# Altium PCB wifi-module.PcbDoc (part 1 of 2)
Units mm, origin at the board's own origin, x right, y up, seen from the top; angles counter-clockwise.
Board outline 106 x 80 mm, 2 copper layers (Top Layer, Bottom Layer), stack 1.57 mm thick; 193 components, 99 nets, 493 pads, 460 vias.
Unrouted connection lines stored in the file: 1.
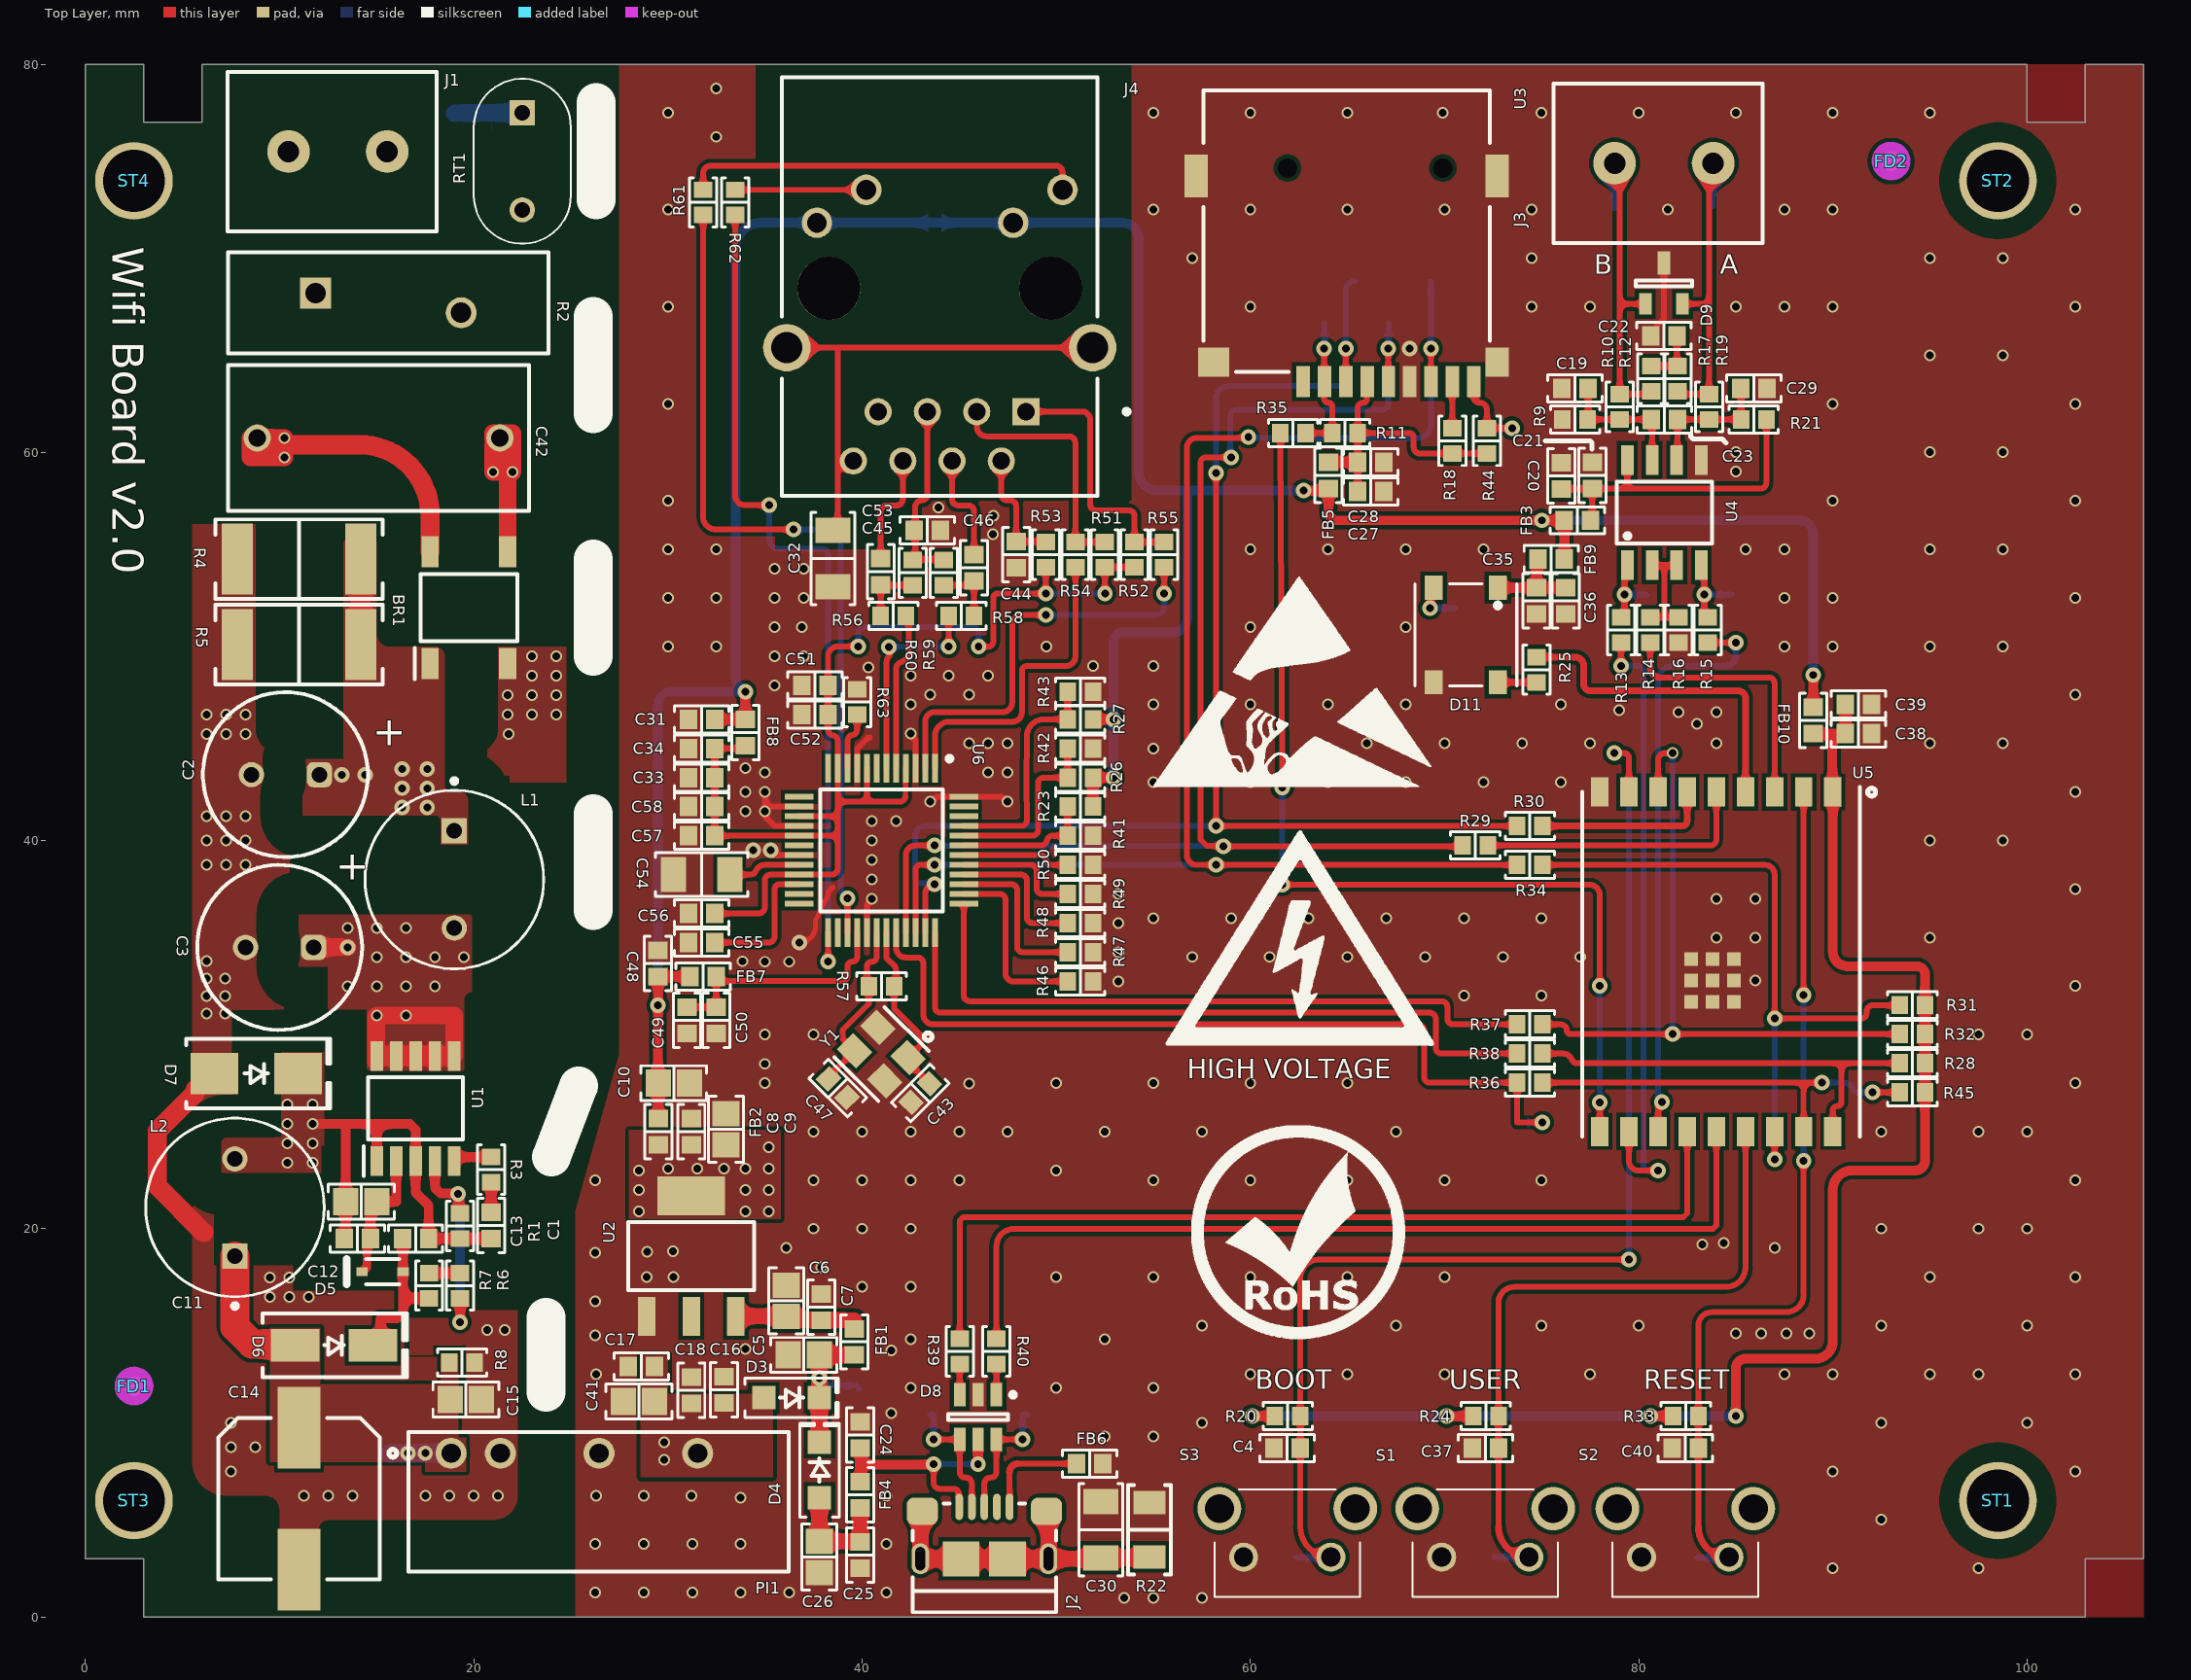
[diagram p0: Top Layer view]
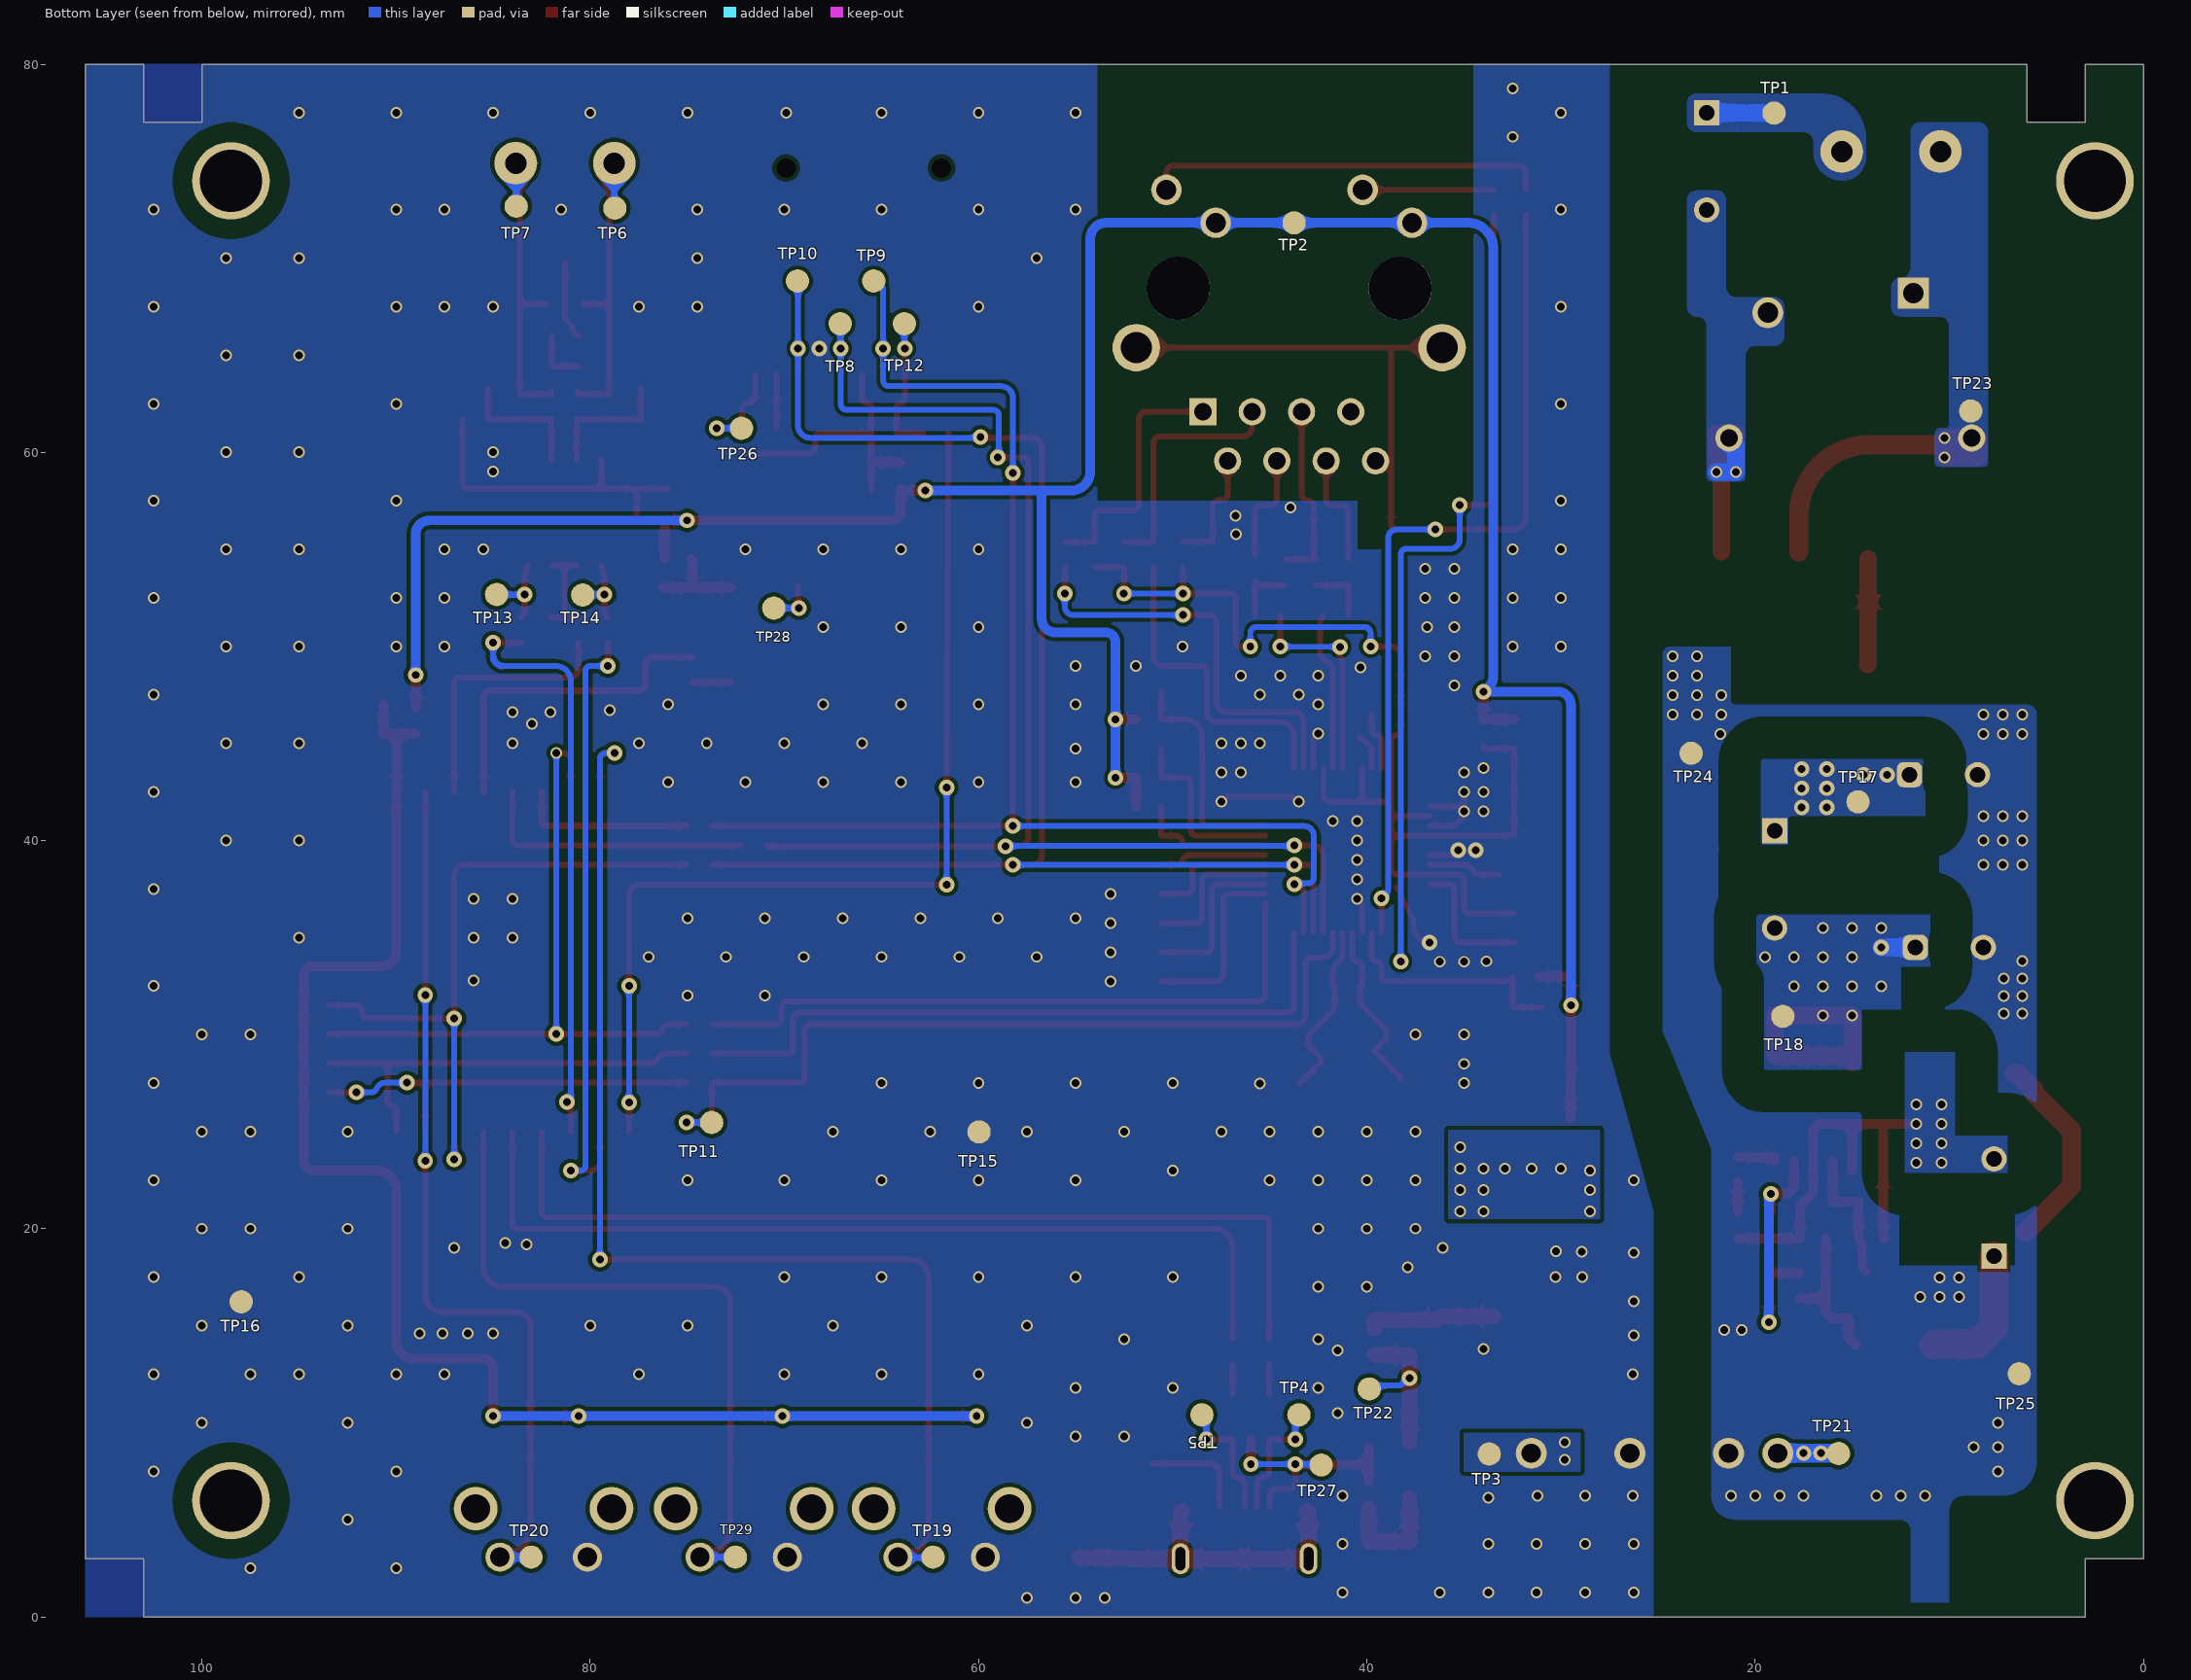
[diagram p1: Bottom Layer view, seen from below]
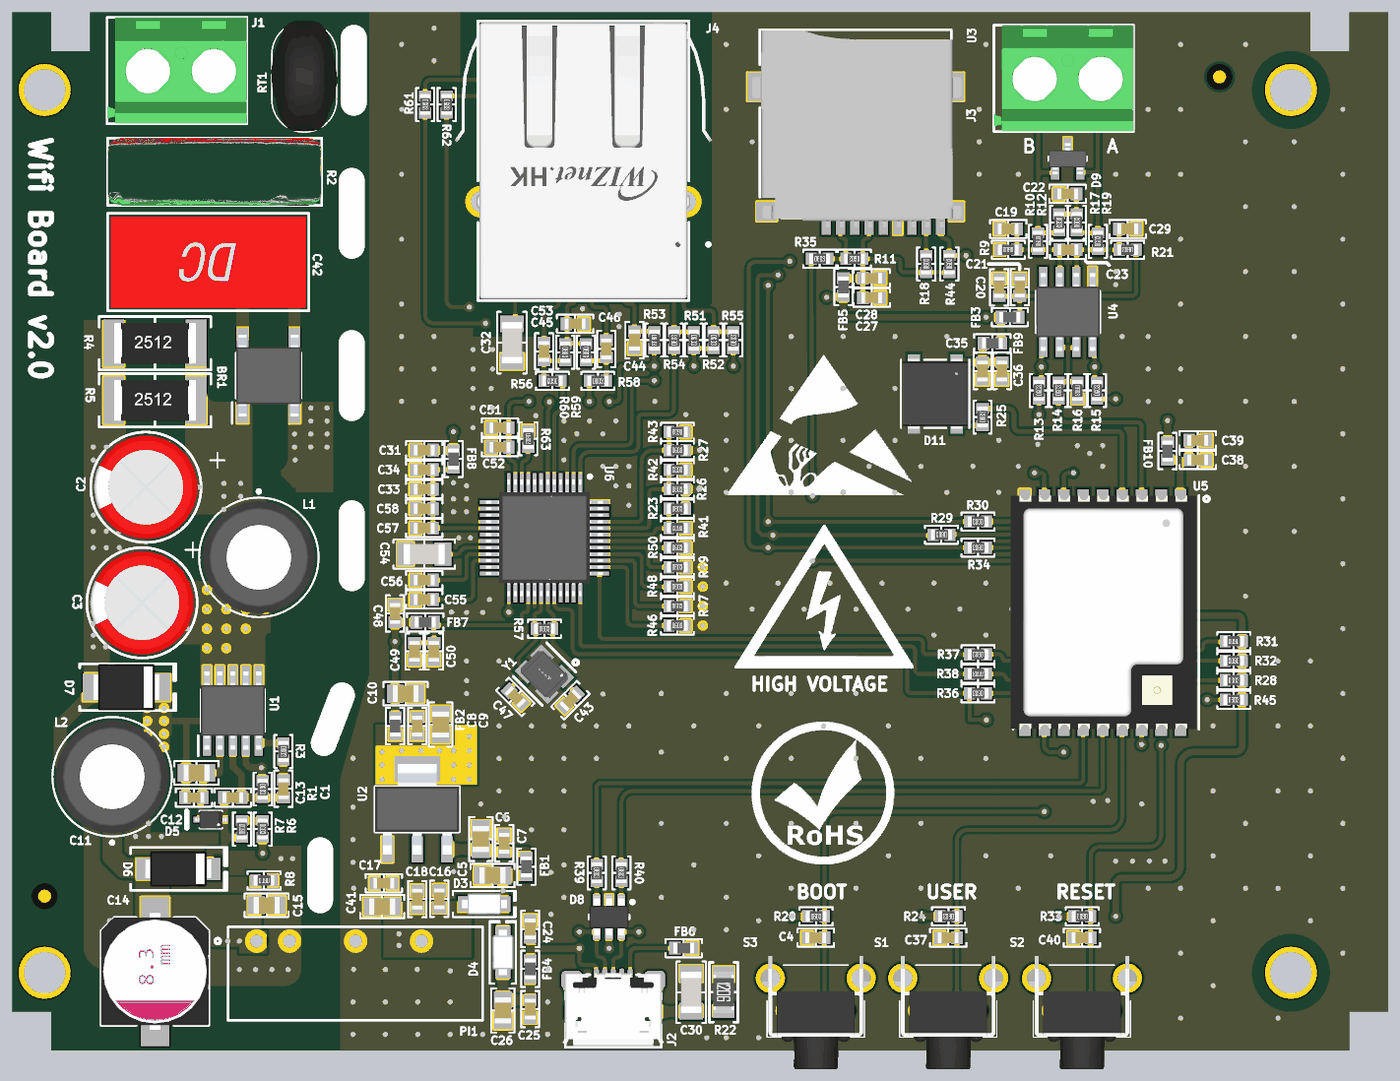
[diagram p3: 3D render of the assembled board from above, using the file's embedded part models]

## Layer stack, top to bottom
Top Solder: solder mask 0.0102, Solder Resist, Dk 3.5
Top Layer: signal copper 0.035
Dielectric 1: dielectric 1.5, FR-4, Dk 4.8
Bottom Layer: signal copper 0.035
Bottom Solder: solder mask 0.0102, Solder Resist, Dk 3.5

## Board outline
3,0 3,3 0,3 0,80 3,80 3,77 6,77 6,80 100,80 100,77 103,77 103,80 106,80 106,3 103,3 103,0

## Design rules (kind name [scope] priority, off if disabled: settings)
Clearance HIGH_VOLT_CLEARANCE [InNetClass('HIGH_VOLTAGE')] p1: gap=2.2 ignorepadtopadclearanceinfootprint=TRUE
Clearance DEFAULT_CLEARANCE [All] p2: gap=0.2 ignorepadtopadclearanceinfootprint=FALSE
DiffPairsRouting [All] p1: maxlimit=0.254 minlimit=0.254 mostfreqgap=0.254 toplayer_minwidth=0.3 toplayer_maxwidth=0.381 toplayer_prefwidth=0.3 bottomlayer_minwidth=0.3 bottomlayer_maxwidth=0.381 bottomlayer_prefwidth=0.3 maxuncoupledlength=12.7
HoleSize HOLE_SIZE_DEFAULT [All] p1: absolutevalues=TRUE maxlimit=3.5 minlimit=0.4 maxpercent=80.000 minpercent=20.000
HoleToHoleClearance HOLE_TO_HOLE_DEFAULT [All] p1: gap=0.2 allowstackedmicrovias=TRUE
MinimumSolderMaskSliver SM_SLIVER_DEFAULT [All] p1: minsoldermaskwidth=0
PlaneConnect [All] p1: planeconnectstyle=Direct reliefexpansion=0.508 reliefentries=4 reliefconductorwidth=0.254 reliefairgap=0.254
PolygonConnect [All] p1: connectstyle=Direct reliefconductorwidth=0.254 reliefentries=4 polygonreliefangle="90 Angle" airgapwidth=0.254
RoutingVias [All] p1: holewidth=0.4 width=0.8 viastyle="Through Hole" minholewidth=0.4 minwidth=0.8 maxholewidth=1.5 maxwidth=3
SilkToSilkClearance SILK_TO_SILK_DEFAULT [All] p1: silktosilkclearance=0.1
SilkToSolderMaskClearance SILK_TO_SM_DEFAULT [IsPad] p1: minsilkscreentomaskgap=0.001 clearancetoexposedcopper=TRUE
SolderMaskExpansion [All] p1: expansion=0.102 istentingtop=FALSE
SupplyNets "Schematic Supply Nets_12" [InNet('+5V_PR')] p1: voltage=0.000
SupplyNets "Schematic Supply Nets_11" [InNet('+5V_USB')] p2: voltage=0.000
SupplyNets "Schematic Supply Nets_10" [InNet('NI_5V')] p3: voltage=0.000
SupplyNets "Schematic Supply Nets_9" [InNet('+5V')] p4: voltage=0.000
SupplyNets "Schematic Supply Nets_8" [InNet('+3V3_RGB')] p5: voltage=0.000
SupplyNets "Schematic Supply Nets_7" [InNet('+3V3')] p6: voltage=0.000
SupplyNets "Schematic Supply Nets_6" [InNet('GND_HV')] p7: voltage=0.000
SupplyNets "Schematic Supply Nets_5" [InNet('+3V3_RS485')] p8: voltage=0.000
SupplyNets "Schematic Supply Nets_4" [InNet('+3V3_SDCARD')] p9: voltage=0.000
SupplyNets "Schematic Supply Nets_3" [InNet('GND_CH')] p10: voltage=0.000
SupplyNets "Schematic Supply Nets_2" [InNet('+5V_USB_FILT')] p11: voltage=0.000
SupplyNets "Schematic Supply Nets_1" [InNet('+3V3_ESP32')] p12: voltage=0.000
SupplyNets "Schematic Supply Nets" [InNet('GND')] p13: voltage=0.000
UnRoutedNet [All] p1: checkbadconnections=TRUE
Width [All] p1: maxlimit=1.5 minlimit=0.25 preferedwidth=0.25
22 further rules are at their usual default settings.

## Classes and differential pairs
net class HIGH_VOLTAGE: AC_L DC_F DC_L NetJ1_1 VIPER_S

## Components (designator, comment, footprint, x,y, rotation, side; value= is the part's Value field where it differs from the comment)
BR1 "ABS210" SOP400P630X160-4N 19.75,52 r90 top
C1 "C0603C102K5RACAUTO7411" "CAP 0603_1608" 20.9,20.175 r270 top value="1000 pF"
C2 "860011374005" WCAP-ATG8_D8H11.5 10.3,43.4 r0 top value=4.7µF
C3 "860011374005" WCAP-ATG8_D8H11.5 10,34.5 r0 top value=4.7µF
C4 "CC0603JRX7R9BB104" "CAP 0603_1608" 61.9,8.7 r0 top value="0.1 µF"
C5 "CL21A106KAYNNNE" "CAP 0805_2012" 37,13.5 r0 top value="10 µF"
C6 "CL21A106KAYNNNE" "CAP 0805_2012" 36.1,16.3 r270 top value="10 µF"
C7 "CC0603JRX7R9BB104" "CAP 0603_1608" 37.9,15.975 r270 top value="0.1 µF"
C8 "CC0603JRX7R9BB104" "CAP 0603_1608" 31.2,25 r270 top value="0.1 µF"
C9 "CL21A106KAYNNNE" "CAP 0805_2012" 33,25.125 r270 top value="10 µF"
C10 "CL21A106KAYNNNE" "CAP 0805_2012" 30.3,27.5 r180 top value="10 µF"
C11 "CL21A106KAYNNNE" "CAP 0805_2012" 14.2,21.4 r0 top value="10 µF"
C12 "CC0603JRX7R9BB104" "CAP 0603_1608" 14,19.5 r0 top value="0.1 µF"
C13 "CL10B223KB8NNNC" "CAP 0603_1608" 17,19.5 r180 top value="0.022 µF"
C14 "A768KE107M1VLAE036" "CAP ALSMD POLY 8.3MM H6.0MM" 11,6.1 r270 top value="100 µF"
C15 "CL21A106KAYNNNE" "CAP 0805_2012" 19.6,11.2 r180 top value="10 µF"
C16 "CC0603JRX7R9BB104" "CAP 0603_1608" 32.9,11.7 r270 top value="0.1 µF"
C17 "CL10B103KB8NNNC" "CAP 0603_1608" 28.625,12.9 r0 top value="10000 pF"
C18 "C0603C102K5RACAUTO7411" "CAP 0603_1608" 31.2,11.675 r270 top value="1000 pF"
C19 "CL10C101JB81PNC" "CAP 0603_1608" 76.725,63.3 r180 top value="100 pF"
C20 "CL10A106MQ8NNNC" "CAP 0603_1608" 76.025,58.8 r270 top value="10 µF"
C21 "CC0603JRX7R9BB104" "CAP 0603_1608" 77.611,58.81 r270 top value="0.1 µF"
C22 "CL10B103KB8NNNC" "CAP 0603_1608" 81.3,66 r0 top value="10000 pF"
C23 "CL10C101JB81PNC" "CAP 0603_1608" 81.325,61.7 r180 top value="100 pF"
C24 "CC0603JRX7R9BB104" "CAP 0603_1608" 39.9,9.375 r270 top value="0.1 µF"
C25 "CC0603JRX7R9BB104" "CAP 0603_1608" 39.9,3.2 r90 top value="0.1 µF"
C26 "CL21A106KAYNNNE" "CAP 0805_2012" 37.8,3.1 r90 top value="10 µF"
C27 "CL10A106MQ8NNNC" "CAP 0603_1608" 66.2,58 r180 top value="10 µF"
C28 "CC0603JRX7R9BB104" "CAP 0603_1608" 66.2,59.5 r180 top value="0.1 µF"
C29 "CL10C101JB81PNC" "CAP 0603_1608" 85.925,63.3 r180 top value="100 pF"
C30 "C1206X222KGRAC7800" "CAP 1206_3216 - 0.8MM" 52.3,4.5 r270 top value="2200 pF"
C31 "CC0603JRX7R9BB104" "CAP 0603_1608" 31.738,46.25 r0 top value="0.1 µF"
C32 "VPDD202W102K1GV001E" "CAP 1206_3216 - 0.8MM" 38.5,54.538 r90 top value="1000 pF"
C33 "CL10A106MQ8NNNC" "CAP 0603_1608" 31.738,43.25 r0 top value="10 µF"
C34 "CC0603JRX7R9BB104" "CAP 0603_1608" 31.738,44.75 r0 top value="0.1 µF"
C35 "CL10A106MQ8NNNC" "CAP 0603_1608" 74.746,52.355 r90 top value="10 µF"
C36 "CC0603JRX7R9BB104" "CAP 0603_1608" 76.246,52.355 r90 top value="0.1 µF"
C37 "CC0603JRX7R9BB104" "CAP 0603_1608" 72.1,8.7 r0 top value="0.1 µF"
C38 "CL10A106MQ8NNNC" "CAP 0603_1608" 91.325,45.51 r180 top value="10 µF"
C39 "CC0603JRX7R9BB104" "CAP 0603_1608" 91.325,47.01 r180 top value="0.1 µF"
C40 "CC0603JRX7R9BB104" "CAP 0603_1608" 82.4,8.7 r0 top value="0.1 µF"
C41 "CL21A106KAYNNNE" "CAP 0805_2012" 28.5,11.1 r0 top value="10 µF"
C42 "890324024002" WCAP-FTX2_L15W7H12.5 15.1,60.75 r180 top value=220nF
C43 "C0603C180K5HACAUTO" "CAP 0603_1608" 43,27 r45 top value="18 pF"
C44 "C0603C223M5RACAUTO" "CAP 0603_1608" 47.937,54.734 r90 top value="0.022 µF"
C45 "C0603C682K5RAC7411" "CAP 0603_1608" 40.965,53.863 r90 top value="6800 pF"
C46 "C0603C682K5RAC7411" "CAP 0603_1608" 45.765,54.059 r90 top value="6800 pF"
C47 "C0603C180K5HACAUTO" "CAP 0603_1608" 38.75,27.25 r135 top value="18 pF"
C48 "CC0603JRX7R9BB104" "CAP 0603_1608" 29.488,33.675 r270 top value="0.1 µF"
C49 "CL10A106MQ8NNNC" "CAP 0603_1608" 30.988,30.75 r90 top value="10 µF"
C50 "CC0603JRX7R9BB104" "CAP 0603_1608" 32.488,30.75 r90 top value="0.1 µF"
C51 "CC0603JRX7R9BB104" "CAP 0603_1608" 37.575,47.988 r0 top value="0.1 µF"
C52 "CC0603JRX7R9BB104" "CAP 0603_1608" 37.575,46.488 r0 top value="0.1 µF"
C53 "CL10B103KB8NNNC" "CAP 0603_1608" 43.365,55.988 r180 top value="10000 pF"
C54 "CL31B475KBHNNNE" "CAP 1206_3216 - 0.8MM" 31.738,38.25 r0 top value="4.7 µF"
C55 "CL10B103KB8NNNC" "CAP 0603_1608" 31.738,34.75 r0 top value="10000 pF"
C56 "CC0603JRX7R9BB104" "CAP 0603_1608" 31.738,36.25 r0 top value="0.1 µF"
C57 "CC0603JRX7R9BB104" "CAP 0603_1608" 31.738,40.25 r0 top value="0.1 µF"
C58 "CC0603JRX7R9BB104" "CAP 0603_1608" 31.738,41.75 r0 top value="0.1 µF"
D3 "DSS14UTR" SOD123F 36.37,11.3 r0 top
D4 "DSS14UTR" SOD123F 37.8,7.57 r90 top
D5 "1N4148WS-7-F" DIOD-SOD323-2-A_V 15.3,17.8 r180 top
D6 "US1ML-TP" "DO214AC SMA" 12.8,14 r0 top
D7 "CD214B-R3600" "DO214AA SMB" 8.8,28 r0 top
D8 "USBLC6-2SC6" STM-SOT23-6L_V 45.975,10.3 r270 top
D9 "SM712" SOT-23-3 81.3,68.7 r90 top
D11 "COM-16347" COM-16347-Footprint-1 71.096,50.595 r270 top
FB1 "MPZ1608S101ATAH0" "FER 0603_1608" 39.6,14.175 r90 top value="100 Ohms @ 100 MHz"
FB2 "MPZ1608S101ATAH0" "FER 0603_1608" 29.5,25 r90 top value="100 Ohms @ 100 MHz"
FB3 "MPZ1608S101ATAH0" "FER 0603_1608" 76.85,56.5 r180 top value="100 Ohms @ 100 MHz"
FB4 "MPZ1608S101ATAH0" "FER 0603_1608" 39.9,6.3 r270 top value="100 Ohms @ 100 MHz"
FB5 "MPZ1608S101ATAH0" "FER 0603_1608" 64.025,58.825 r90 top value="100 Ohms @ 100 MHz"
FB6 "MPZ1608S101ATAH0" "FER 0603_1608" 51.725,7.9 r0 top value="100 Ohms @ 100 MHz"
FB7 "MPZ1608S101ATAH0" "FER 0603_1608" 31.813,33 r0 top value="100 Ohms @ 100 MHz"
FB8 "MPZ1608S101ATAH0" "FER 0603_1608" 33.988,45.575 r270 top value="100 Ohms @ 100 MHz"
FB9 "MPZ1608S101ATAH0" "FER 0603_1608" 75.5,54.5 r180 top value="100 Ohms @ 100 MHz"
FB10 "MPZ1608S101ATAH0" "FER 0603_1608" 89,46.185 r270 top value="100 Ohms @ 100 MHz"
FD1 "FID1X2R" FID1X2R 2.5,11.9 r0 top
FD2 "FID1X2R" FID1X2R 93,75.01 r90 top
J1 "282837-2" "TE 282837-2" 13,75.5 r180 top
J2 "10118193-0001LF" "FCI USB 10118193-0001LF" 46.3,3.05 r180 top
J3 "282837-2" "TE 282837-2" 81.3,74.9 r180 top
J4 "J1B1211CCD" FP-J1B1211CCD-MFG 44,68.55 r180 top
L1 "RLB0914-102KL" FP-RLB0914-MFG 19,38 r270 top
L2 "RLB0914-102KL" FP-RLB0914-MFG 7.7,21.1 r90 top
PI1 "B0505S" B0505S 26.451,5.9 r0 top
R1 "RC0603FR-0722KL" "RES 0603_1608" 19.3,20.15 r270 top value="22 kOhms"
R2 "MOV-14D431K" FP-MOV-14D431K-MFG 15.6,67.7 r0 top value=552pF
R3 "RC0603FR-072K7L" "RES 0603_1608" 20.9,23.05 r270 top value="2.7 kOhms"
R4 "RMCF2512JT1M00" "RES 2512_6432" 11,54.5 r0 top value="1 MOhms"
R5 "RMCF2512JT1M00" "RES 2512_6432" 11,50.1 r0 top value="1 MOhms"
R6 "RC0603FR-0722KL" "RES 0603_1608" 19.3,17.075 r270 top value="22 kOhms"
R7 "RC0603FR-0756KL" "RES 0603_1608" 17.7,17.075 r90 top value="56 kOhms"
R8 "RC0603FR-075K6L" "RES 0603_1608" 19.4,13.1 r180 top value="5.6 kOhms"
R9 "RC0603FR-072K2L" "RES 0603_1608" 76.725,61.7 r180 top value="2.2 kOhms"
R10 "RC0603FR-0722RL" "RES 0603_1608" 79.025,62.35 r90 top value="22 Ohms"
R11 "RC0603FR-0710KL" "RES 0603_1608" 64.875,61 r180 top value="10 kOhms"
R12 "RC0603FR-0760R4L" "RES 0603_1608" 80.65,63.8 r270 top value="60.4 Ohms"
R13 "RC0603FR-0722RL" "RES 0603_1608" 79.09,50.85 r90 top value="22 Ohms"
R14 "RC0603FR-0722RL" "RES 0603_1608" 80.59,50.85 r90 top value="22 Ohms"
R15 "RC0603FR-0722RL" "RES 0603_1608" 83.56,50.85 r90 top value="22 Ohms"
R16 "RC0603FR-0710KL" "RES 0603_1608" 82.06,50.85 r270 top value="10 kOhms"
R17 "RC0603FR-0760R4L" "RES 0603_1608" 82,63.8 r90 top value="60.4 Ohms"
R18 "RC0603FR-0710KL" "RES 0603_1608" 70.4,60.6 r90 top value="10 kOhms"
R19 "RC0603FR-0722RL" "RES 0603_1608" 83.625,62.35 r90 top value="22 Ohms"
R20 "RC0603FR-0710KL" "RES 0603_1608" 61.925,10.35 r0 top value="10 kOhms"
R21 "RC0603FR-072K2L" "RES 0603_1608" 85.925,61.7 r180 top value="2.2 kOhms"
R22 "RC1206FR-071ML" "RES 1206_3216" 54.8,4.5 r270 top value="1 MOhms"
R23 "RC0603FR-0710KL" "RES 0603_1608" 51.238,41.75 r0 top value="10 kOhms"
R24 "RC0603FR-0710KL" "RES 0603_1608" 72.125,10.35 r180 top value="10 kOhms"
R25 "RC0603FR-071KL" "RES 0603_1608" 74.746,48.809 r90 top value="1 kOhms"
R26 "RC0603FR-0710KL" "RES 0603_1608" 51.238,43.25 r0 top value="10 kOhms"
R27 "RC0603FR-0710KL" "RES 0603_1608" 51.238,46.25 r0 top value="10 kOhms"